# KiCad board GNSS_breakout_L86-M33.kicad_pcb (continued)
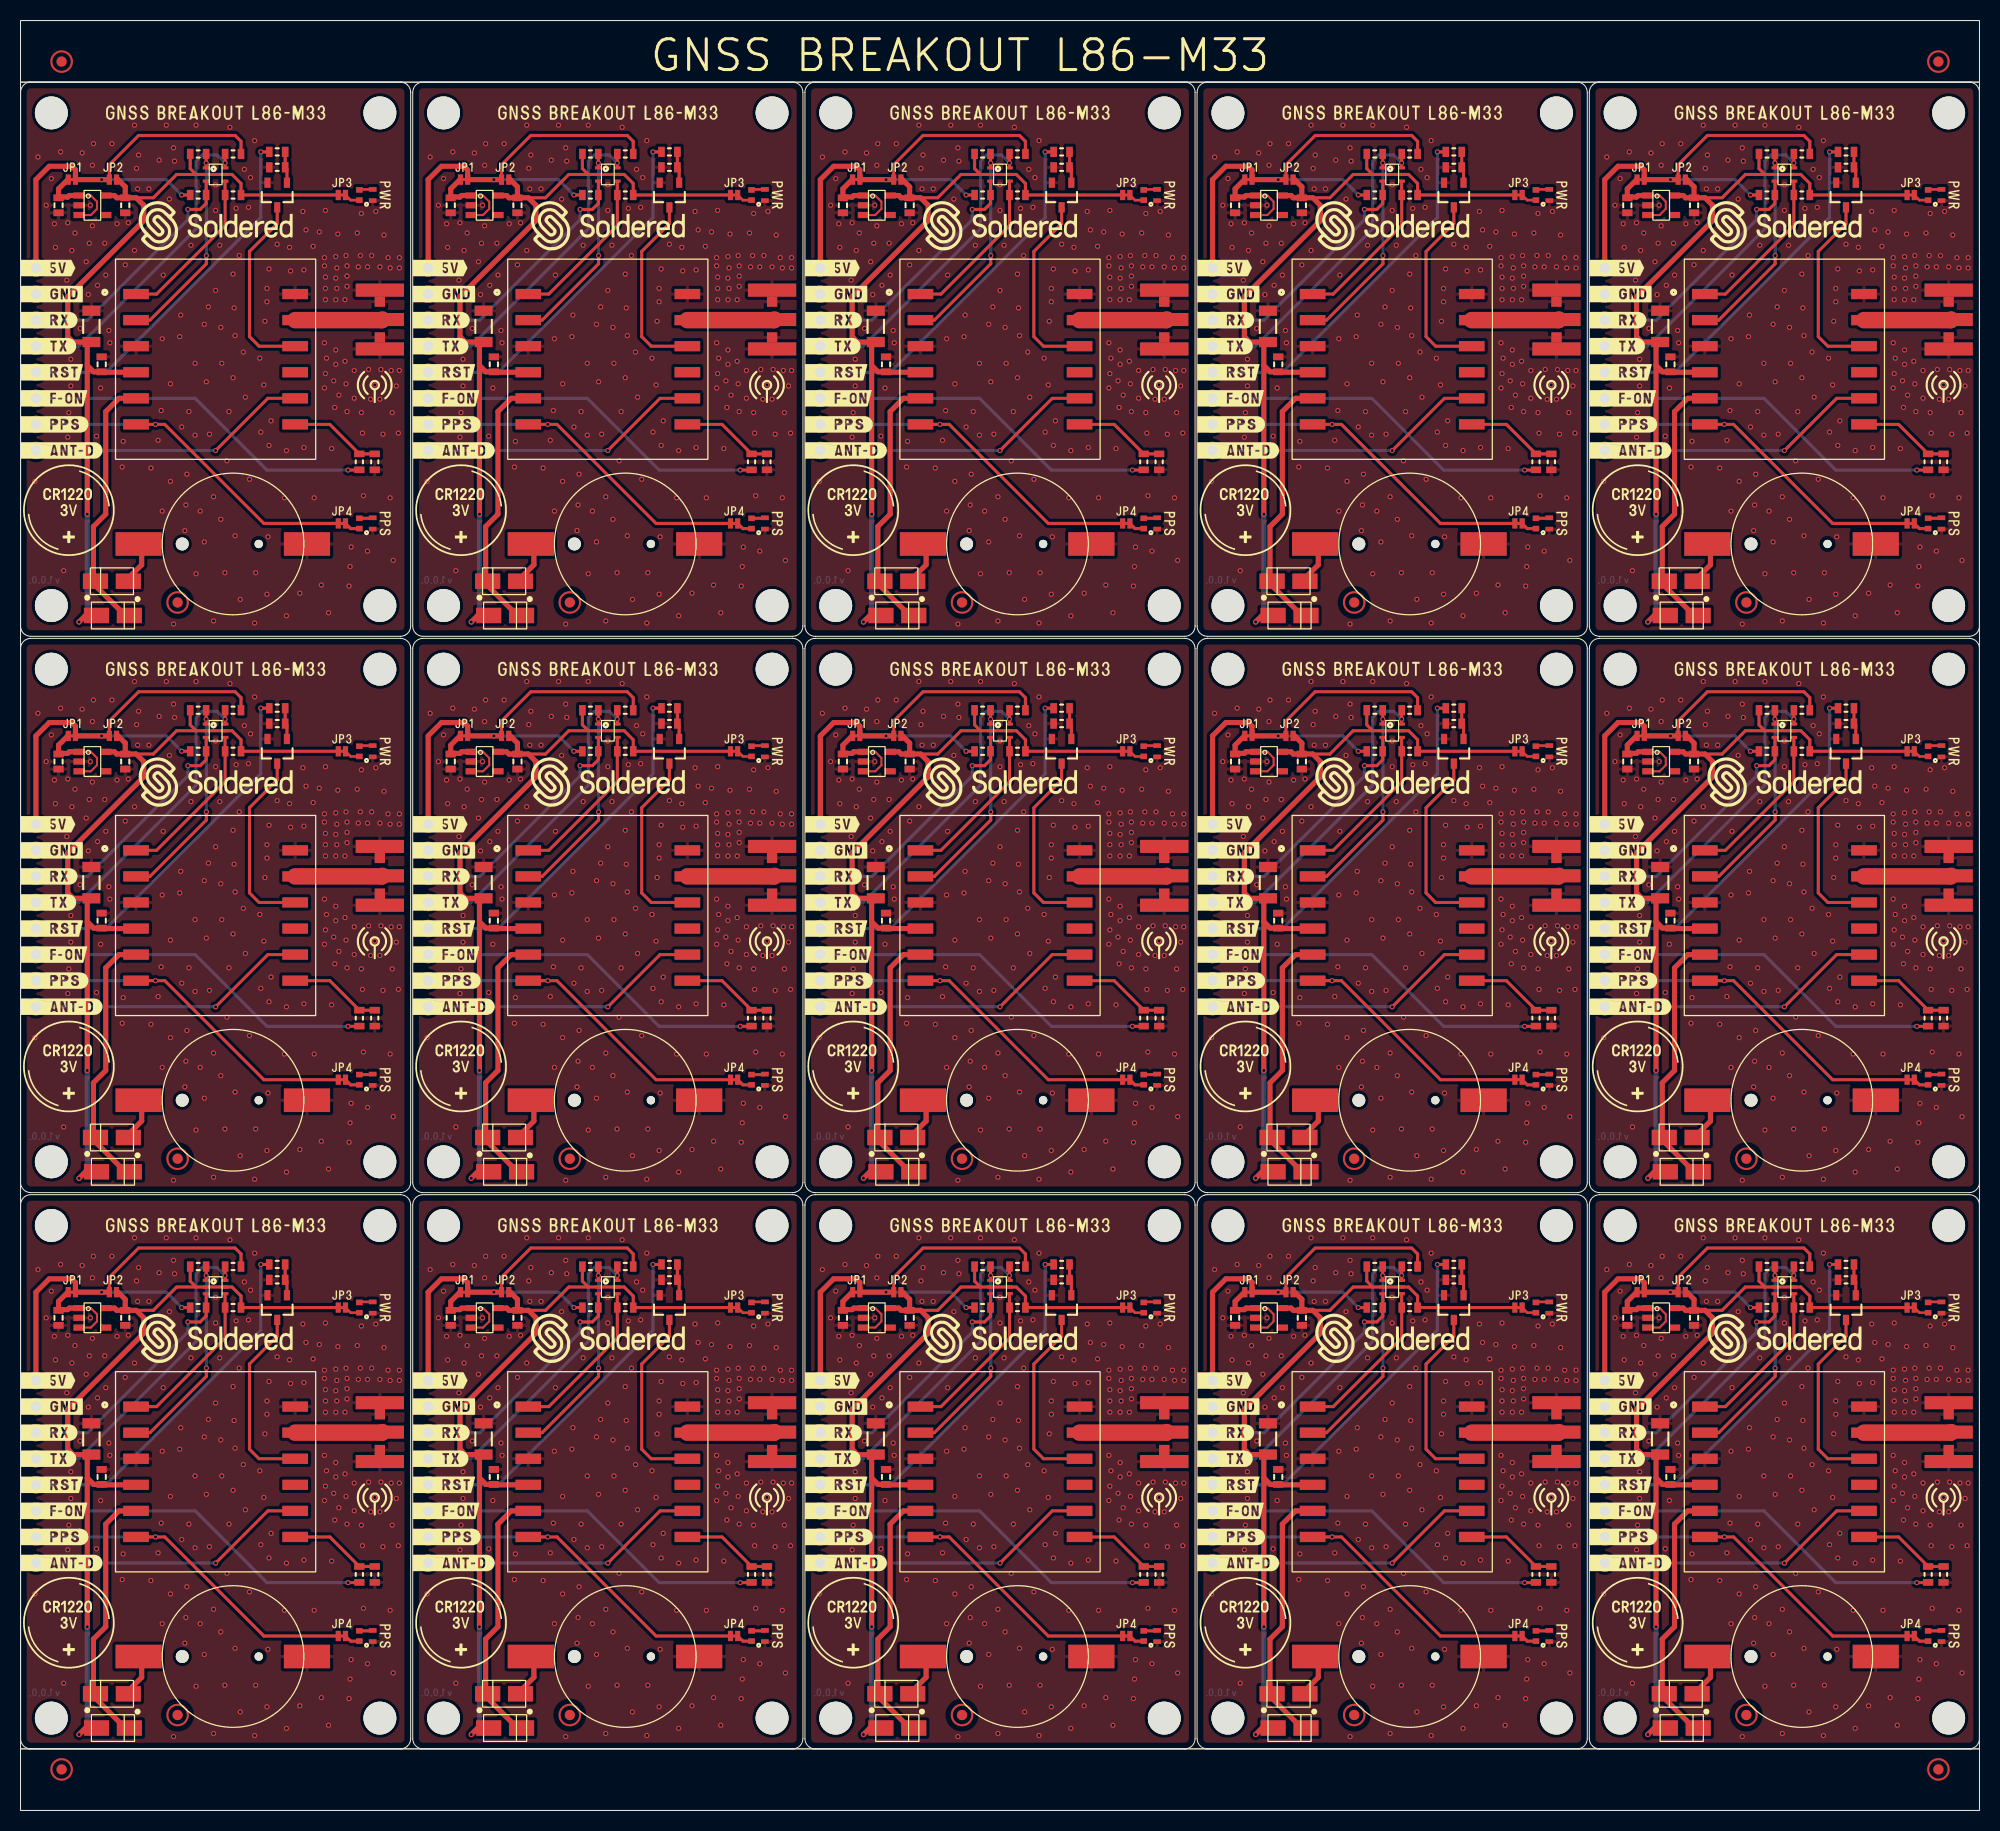
[diagram p0: board, top side]
## Routing (per net, layer and track width the routed paths; a pad name or vN(x,y) marks a point on that pad's centre or on a via; arc(x,y) is an arc through that point) (continued)
  vias: v1(1.4,129.5) v1(1.4,75.3) v1(1.4,21.1) v1(1.7,161.1) v1(1.7,106.9) v1(1.7,52.7) v1(2.5,156.4) v1(2.5,102.2) v1(2.5,48) v1(3,159) v1(3,104.8) v1(3,50.6) v1(3.3,154.6) v1(3.3,100.4) v1(3.3,46.2) v1(3.4,152.3) v1(3.4,98.1) v1(3.4,43.9) v1(3.9,161.6) v1(3.9,107.4) v1(3.9,53.2) v1(4.2,120.8) v1(4.2,66.6) v1(4.2,12.4) v1(4.5,149.1) v1(4.5,94.9) v1(4.5,40.7) v1(4.6,154.7) v1(4.6,133.8) v1(4.6,100.5) v1(4.6,79.6) v1(4.6,46.3) v1(4.6,25.4) v1(4.7,136.2) v1(4.7,82) v1(4.7,27.8) v1(4.9,141.4) v1(4.9,138.8) v1(4.9,87.2) v1(4.9,84.6) v1(4.9,33) v1(4.9,30.4) v1(5,152) v1(5,97.8) v1(5,43.6) v1(5.3,153.7) v1(5.3,99.5) v1(5.3,45.3) v1(5.8,144.4) v1(5.8,90.2) v1(5.8,36) v1(6,161.5) v1(6,107.3) v1(6,53.1) v1(6.4,150.9) v1(6.4,96.7) v1(6.4,42.5) v1(6.6,147.7) v1(6.6,93.5) v1(6.6,39.3) v1(6.7,152.7) v1(6.7,98.5) v1(6.7,44.3) v1(6.8,156.4) v1(6.8,102.2) v1(6.8,48) v1(7,160.3) v1(7,154.4) v1(7,106.1) v1(7,100.2) v1(7,51.9) v1(7,46) v1(7.1,162.4) v1(7.1,108.2) v1(7.1,54) v1(7.4,133.9) v1(7.4,79.7) v1(7.4,25.5) v1(7.5,148.6) v1(7.5,94.4) v1(7.5,40.2) v1(7.8,138.6) v1(7.8,84.4) v1(7.8,30.2) v1(8.2,152.7) v1(8.2,98.5) v1(8.2,44.3) v1(8.3,149.6) v1(8.3,95.4) v1(8.3,41.2) v1(8.6,144.2) v1(8.6,90) v1(8.6,35.8) v1(8.7,143) v1(8.7,88.8) v1(8.7,34.6) v1(8.9,162.4) v1(8.9,108.2) v1(8.9,54) v1(9.4,154.6) v1(9.4,100.4) v1(9.4,46.2) v1(9.9,130.9) v1(9.9,76.7) v1(9.9,22.5) v1(10,133.4) v1(10,79.2) v1(10,25) v1(10.2,150.6) v1(10.2,96.4) v1(10.2,42.2) v1(10.5,154.7) v1(10.5,100.5) v1(10.5,46.3) v1(11.1,164.2) v1(11.1,152) v1(11.1,110) v1(11.1,97.8) v1(11.1,55.8) v1(11.1,43.6) v1(11.3,160) v1(11.3,105.8) v1(11.3,51.6) v1(11.4,158) v1(11.4,103.8) v1(11.4,49.6) v1(11.5,161.3) v1(11.5,107.1) v1(11.5,52.9) v1(12.5,158) v1(12.5,103.8) v1(12.5,49.6) v1(12.7,130.8) v1(12.7,76.6) v1(12.7,22.4) v1(13.4,133.5) v1(13.4,79.3) v1(13.4,25.1) v1(13.5,160.8) v1(13.5,106.6) v1(13.5,52.4) v1(13.7,136.4) v1(13.7,82.2) v1(13.7,28) v1(13.8,143.4) v1(13.8,126.6) v1(13.8,89.2) v1(13.8,72.4) v1(13.8,35) v1(13.8,18.2) v1(13.9,149.6) v1(13.9,95.4) v1(13.9,41.2) v1(14.2,164.2) v1(14.2,110) v1(14.2,55.8) v1(14.5,157) v1(14.5,102.8) v1(14.5,48.6) v1(14.6,139) v1(14.6,129.5) v1(14.6,84.8) v1(14.6,75.3) v1(14.6,30.6) v1(14.6,21.1) v1(14.9,162) v1(14.9,115.6) v1(14.9,107.8) v1(14.9,61.4) v1(14.9,53.6) v1(14.9,7.2) v1(15,160.7) v1(15,106.5) v1(15,52.3) v1(15.5,143.6) v1(15.5,89.4) v1(15.5,35.2) v1(15.6,145.7) v1(15.6,91.5) v1(15.6,37.3) v1(15.7,134.8) v1(15.7,80.6) v1(15.7,26.4) v1(16,124.7) v1(16,70.5) v1(16,16.3) v1(16.1,127.2) v1(16.1,73) v1(16.1,18.8) v1(16.2,130.2) v1(16.2,76) v1(16.2,21.8) v1(16.4,136.3) v1(16.4,82.1) v1(16.4,27.9) v1(16.6,152.5) v1(16.6,98.3) v1(16.6,44.1) v1(17,141) v1(17,134) v1(17,86.8) v1(17,79.8) v1(17,32.6) v1(17,25.6) v1(17.1,164.2) v1(17.1,120.5) v1(17.1,110) v1(17.1,66.3) v1(17.1,55.8) v1(17.1,12.1) v1(17.5,126.6) v1(17.5,72.4) v1(17.5,18.2) v1(17.9,144.8) v1(17.9,123.6) v1(17.9,90.6) v1(17.9,69.4) v1(17.9,36.4) v1(17.9,15.2) v1(18.1,139.2) v1(18.1,85) v1(18.1,30.8) v1(18.3,146.5) v1(18.3,92.3) v1(18.3,38.1) v1(18.4,134.1) v1(18.4,79.9) v1(18.4,25.7) v1(18.8,128) v1(18.8,115.9) v1(18.8,73.8) v1(18.8,61.7) v1(18.8,19.6) v1(18.8,7.5) v1(19,158.4) v1(19,155.9) v1(19,148.1) v1(19,104.2) v1(19,101.7) v1(19,93.9) v1(19,50) v1(19,47.5) v1(19,39.7) v1(19.4,152.5) v1(19.4,98.3) v1(19.4,44.1) v1(19.5,144.5) v1(19.5,125.8) v1(19.5,90.3) v1(19.5,71.6) v1(19.5,36.1) v1(19.5,17.4) v1(19.6,141) v1(19.6,86.8) v1(19.6,32.6) v1(19.9,120.6) v1(19.9,66.4) v1(19.9,12.2) v1(20.1,131.5) v1(20.1,77.3) v1(20.1,23.1) v1(20.3,136.3) v1(20.3,82.1) v1(20.3,27.9) v1(20.4,164) v1(20.4,109.8) v1(20.4,55.6) v1(20.7,149.7) v1(20.7,139.6) v1(20.7,95.5) v1(20.7,85.4) v1(20.7,41.3) v1(20.7,31.2) v1(20.8,146.4) v1(20.8,92.2) v1(20.8,38) v1(20.9,143.7) v1(20.9,124.2) v1(20.9,89.5) v1(20.9,70) v1(20.9,35.3) v1(20.9,15.8) v1(21,156.1) v1(21,101.9) v1(21,47.7) v1(21.3,151.5) v1(21.3,97.3) v1(21.3,43.1) v1(21.4,118) v1(21.4,63.8) v1(21.4,9.6) v1(21.7,142.1) v1(21.7,87.9) v1(21.7,33.7) v1(21.8,159.9) v1(21.8,105.7) v1(21.8,51.5) v1(21.9,137.7) v1(21.9,83.5) v1(21.9,29.3) v1(22.2,156.2) v1(22.2,102) v1(22.2,47.8) v1(22.3,129.7) v1(22.3,75.5) v1(22.3,21.3) v1(22.4,159.1) v1(22.4,104.9) v1(22.4,50.7) v1(22.8,162.7) v1(22.8,115.7) v1(22.8,108.5) v1(22.8,61.5) v1(22.8,54.3) v1(22.8,7.3) v1(22.9,120.6) v1(22.9,66.4) v1(22.9,12.2) v1(23.3,141.5) v1(23.3,87.3) v1(23.3,33.1) v1(23.4,134.3) v1(23.4,80.1) v1(23.4,25.9) v1(23.7,138.9) v1(23.7,84.7) v1(23.7,30.5) v1(23.8,145.1) v1(23.8,90.9) v1(23.8,36.7) v1(24,148.3) v1(24,147) v1(24,118.5) v1(24,94.1) v1(24,92.8) v1(24,64.3) v1(24,39.9) v1(24,38.6) v1(24,10.1) v1(24.1,124.1) v1(24.1,69.9) v1(24.1,15.7) v1(24.2,150.2) v1(24.2,133) v1(24.2,96) v1(24.2,78.8) v1(24.2,41.8) v1(24.2,24.6) v1(24.4,135.4) v1(24.4,81.2) v1(24.4,27) v1(25,152.6) v1(25,98.4) v1(25,44.2) v1(25.7,127.9) v1(25.7,73.7) v1(25.7,19.5) v1(25.9,132.5) v1(25.9,116.4) v1(25.9,78.3) v1(25.9,62.2) v1(25.9,24.1) v1(25.9,8) v1(26.2,152.3) v1(26.2,98.1) v1(26.2,43.9) v1(26.3,150) v1(26.3,95.8) v1(26.3,41.6) v1(27.2,118.6) v1(27.2,64.4) v1(27.2,10.2) v1(27.5,155.8) v1(27.5,101.6) v1(27.5,47.4) v1(27.6,150.1) v1(27.6,132.8) v1(27.6,95.9) v1(27.6,78.6) v1(27.6,41.7) v1(27.6,24.4) v1(27.8,154) v1(27.8,99.8) v1(27.8,45.6) v1(28.5,152.4) v1(28.5,98.2) v1(28.5,44) v1(28.6,127.9) v1(28.6,73.7) v1(28.6,19.5) v1(29.1,153.8) v1(29.1,99.6) v1(29.1,45.4) v1(29.3,119.4) v1(29.3,65.2) v1(29.3,11) v1(29.6,151.3) v1(29.6,150.5) v1(29.6,143) v1(29.6,138.6) v1(29.6,97.1) v1(29.6,96.3) v1(29.6,88.8) v1(29.6,84.4) v1(29.6,42.9) v1(29.6,42.1) v1(29.6,34.6) v1(29.6,30.2) v1(29.7,155.9) v1(29.7,149.4) v1(29.7,148.3) v1(29.7,147.2) v1(29.7,140) v1(29.7,101.7) v1(29.7,95.2) v1(29.7,94.1) v1(29.7,93) v1(29.7,85.8) v1(29.7,47.5) v1(29.7,41) v1(29.7,39.9) v1(29.7,38.8) v1(29.7,31.6) v1(29.8,141.5) v1(29.8,87.3) v1(29.8,33.1) v1(30,116.7) v1(30,62.5) v1(30,8.3) v1(30.3,132.7) v1(30.3,78.5) v1(30.3,24.3) v1(30.5,139.3) v1(30.5,85.1) v1(30.5,30.9) v1(30.6,136.7) v1(30.6,82.5) v1(30.6,28.3) v1(30.7,151.4) v1(30.7,149.3) v1(30.7,147.2) v1(30.7,142.3) v1(30.7,140.9) v1(30.7,97.2) v1(30.7,95.1) v1(30.7,93) v1(30.7,88.1) v1(30.7,86.7) v1(30.7,43) v1(30.7,40.9) v1(30.7,38.8) v1(30.7,33.9) v1(30.7,32.5) v1(30.8,150.3) v1(30.8,148.3) v1(30.8,96.1) v1(30.8,94.1) v1(30.8,41.9) v1(30.8,39.9) v1(30.9,153.6) v1(30.9,99.4) v1(30.9,45.2) v1(31,137.9) v1(31,83.7) v1(31,29.5) v1(31.6,147.2) v1(31.6,141.2) v1(31.6,93) v1(31.6,87) v1(31.6,38.8) v1(31.6,32.8) v1(31.7,151.5) v1(31.7,139) v1(31.7,97.3) v1(31.7,84.8) v1(31.7,43.1) v1(31.7,30.6) v1(31.8,150.5) v1(31.8,149.5) v1(31.8,148.5) v1(31.8,136.3) v1(31.8,96.3) v1(31.8,95.3) v1(31.8,94.3) v1(31.8,82.1) v1(31.8,42.1) v1(31.8,41.1) v1(31.8,40.1) v1(31.8,27.9) v1(32,119.3) v1(32,65.1) v1(32,10.9) v1(32.1,121.2) v1(32.1,67) v1(32.1,12.8) v1(32.2,123.1) v1(32.2,68.9) v1(32.2,14.7) v1(32.5,140.3) v1(32.5,137.6) v1(32.5,86.1) v1(32.5,83.4) v1(32.5,31.9) v1(32.5,29.2) v1(32.8,153.7) v1(32.8,99.5) v1(32.8,45.3) v1(32.9,150.4) v1(32.9,96.2) v1(32.9,42) v1(33.1,151.5) v1(33.1,97.3) v1(33.1,43.1) v1(33.2,155.6) v1(33.2,136.2) v1(33.2,101.4) v1(33.2,82) v1(33.2,47.2) v1(33.2,27.8) v1(33.3,134.2) v1(33.3,80) v1(33.3,25.8) v1(33.4,128.1) v1(33.4,73.9) v1(33.4,19.7) v1(33.8,150.4) v1(33.8,122.7) v1(33.8,96.2) v1(33.8,68.5) v1(33.8,42) v1(33.8,14.3) v1(33.9,140.4) v1(33.9,86.2) v1(33.9,32) v1(34.1,137.5) v1(34.1,83.3) v1(34.1,29.1) v1(34.2,151.5) v1(34.2,97.3) v1(34.2,43.1) v1(34.5,138.9) v1(34.5,84.7) v1(34.5,30.5) v1(34.6,155.8) v1(34.6,101.6) v1(34.6,47.4) v1(35,150.4) v1(35,137.5) v1(35,96.2) v1(35,83.3) v1(35,42) v1(35,29.1) v1(35.1,140.4) v1(35.1,86.2) v1(35.1,32) v1(35.3,134.1) v1(35.3,79.9) v1(35.3,25.7) v1(35.4,153.5) v1(35.4,99.3) v1(35.4,45.1) v1(35.8,151.3) v1(35.8,97.1) v1(35.8,42.9) v1(36,150.3) v1(36,127.9) v1(36,96.1) v1(36,73.7) v1(36,41.9) v1(36,19.5) v1(36.1,140.3) v1(36.1,86.1) v1(36.1,31.9) v1(36.2,136.2) v1(36.2,82) v1(36.2,27.8) v1(36.3,121.8) v1(36.3,67.6) v1(36.3,13.4) v1(36.6,138.8) v1(36.6,84.6) v1(36.6,30.4) v1(36.8,134.2) v1(36.8,80) v1(36.8,25.8) v1(36.9,151.3) v1(36.9,150.3) v1(36.9,140.3) v1(36.9,97.1) v1(36.9,96.1) v1(36.9,86.1) v1(36.9,42.9) v1(36.9,41.9) v1(36.9,31.9) v1(39.6,129.5) v1(39.6,75.3) v1(39.6,21.1) v1(39.9,161.1) v1(39.9,106.9) v1(39.9,52.7) v1(40.7,156.4) v1(40.7,102.2) v1(40.7,48) v1(41.2,159) v1(41.2,104.8) v1(41.2,50.6) v1(41.5,154.6) v1(41.5,100.4) v1(41.5,46.2) v1(41.6,152.3) v1(41.6,98.1) v1(41.6,43.9) v1(42.1,161.6) v1(42.1,107.4) v1(42.1,53.2) v1(42.4,120.8) v1(42.4,66.6) v1(42.4,12.4) v1(42.7,149.1) v1(42.7,94.9) v1(42.7,40.7) v1(42.8,154.7) v1(42.8,133.8) v1(42.8,100.5) v1(42.8,79.6) v1(42.8,46.3) v1(42.8,25.4) v1(42.9,136.2) v1(42.9,82) v1(42.9,27.8) v1(43.1,141.4) v1(43.1,138.8) v1(43.1,87.2) v1(43.1,84.6) v1(43.1,33) v1(43.1,30.4) v1(43.2,152) v1(43.2,97.8) v1(43.2,43.6) v1(43.5,153.7) v1(43.5,99.5) v1(43.5,45.3) v1(44,144.4) v1(44,90.2) v1(44,36) v1(44.2,161.5) v1(44.2,107.3) v1(44.2,53.1) v1(44.6,150.9) v1(44.6,96.7) v1(44.6,42.5) v1(44.8,147.7) v1(44.8,93.5) v1(44.8,39.3) v1(44.9,152.7) v1(44.9,98.5) v1(44.9,44.3) v1(45,156.4) v1(45,102.2) v1(45,48) v1(45.2,160.3) v1(45.2,154.4) v1(45.2,106.1) v1(45.2,100.2) v1(45.2,51.9) v1(45.2,46) v1(45.3,162.4) v1(45.3,108.2) v1(45.3,54) v1(45.6,133.9) v1(45.6,79.7) v1(45.6,25.5) v1(45.7,148.6) v1(45.7,94.4) v1(45.7,40.2) v1(46,138.6) v1(46,84.4) v1(46,30.2) v1(46.4,152.7) v1(46.4,98.5) v1(46.4,44.3) v1(46.5,149.6) v1(46.5,95.4) v1(46.5,41.2) v1(46.8,144.2) v1(46.8,90) v1(46.8,35.8) v1(46.9,143) v1(46.9,88.8) v1(46.9,34.6) v1(47.1,162.4) v1(47.1,108.2) v1(47.1,54) v1(47.6,154.6) v1(47.6,100.4) v1(47.6,46.2) v1(48.1,130.9) v1(48.1,76.7) v1(48.1,22.5) v1(48.2,133.4) v1(48.2,79.2) v1(48.2,25) v1(48.4,150.6) v1(48.4,96.4) v1(48.4,42.2) v1(48.7,154.7) v1(48.7,100.5) v1(48.7,46.3) v1(49.3,164.2) v1(49.3,152) v1(49.3,110) v1(49.3,97.8) v1(49.3,55.8) v1(49.3,43.6) v1(49.5,160) v1(49.5,105.8) v1(49.5,51.6) v1(49.6,158) v1(49.6,103.8) v1(49.6,49.6) v1(49.7,161.3) v1(49.7,107.1) v1(49.7,52.9) v1(50.7,158) v1(50.7,103.8) v1(50.7,49.6) v1(50.9,130.8) v1(50.9,76.6) v1(50.9,22.4) v1(51.6,133.5) v1(51.6,79.3) v1(51.6,25.1) v1(51.7,160.8) v1(51.7,106.6) v1(51.7,52.4) v1(51.9,136.4) v1(51.9,82.2) v1(51.9,28) v1(52,143.4) v1(52,126.6) v1(52,89.2) v1(52,72.4) v1(52,35) v1(52,18.2) v1(52.1,149.6) v1(52.1,95.4) v1(52.1,41.2) v1(52.4,164.2) v1(52.4,110) v1(52.4,55.8) v1(52.7,157) v1(52.7,102.8) v1(52.7,48.6) v1(52.8,139) v1(52.8,129.5) v1(52.8,84.8) v1(52.8,75.3) v1(52.8,30.6) v1(52.8,21.1) v1(53.1,162) v1(53.1,115.6) v1(53.1,107.8) v1(53.1,61.4) v1(53.1,53.6) v1(53.1,7.2) v1(53.2,160.7) v1(53.2,106.5) v1(53.2,52.3) v1(53.7,143.6) v1(53.7,89.4) v1(53.7,35.2) v1(53.8,145.7) v1(53.8,91.5) v1(53.8,37.3) v1(53.9,134.8) v1(53.9,80.6) v1(53.9,26.4) v1(54.2,124.7) v1(54.2,70.5) v1(54.2,16.3) v1(54.3,127.2) v1(54.3,73) v1(54.3,18.8) v1(54.4,130.2) v1(54.4,76) v1(54.4,21.8) v1(54.6,136.3) v1(54.6,82.1) v1(54.6,27.9) v1(54.8,152.5) v1(54.8,98.3) v1(54.8,44.1) v1(55.2,141) v1(55.2,134) v1(55.2,86.8) v1(55.2,79.8) v1(55.2,32.6) v1(55.2,25.6) v1(55.3,164.2) v1(55.3,120.5) v1(55.3,110) v1(55.3,66.3) v1(55.3,55.8) v1(55.3,12.1) v1(55.7,126.6) v1(55.7,72.4) v1(55.7,18.2) v1(56.1,144.8) v1(56.1,123.6) v1(56.1,90.6) v1(56.1,69.4) v1(56.1,36.4) v1(56.1,15.2) v1(56.3,139.2) v1(56.3,85) v1(56.3,30.8) v1(56.5,146.5) v1(56.5,92.3) v1(56.5,38.1) v1(56.6,134.1) v1(56.6,79.9) v1(56.6,25.7) v1(57,128) v1(57,115.9) v1(57,73.8) v1(57,61.7) v1(57,19.6) v1(57,7.5) v1(57.2,158.4) v1(57.2,155.9) v1(57.2,148.1) v1(57.2,104.2) v1(57.2,101.7) v1(57.2,93.9) v1(57.2,50) v1(57.2,47.5) v1(57.2,39.7) v1(57.6,152.5) v1(57.6,98.3) v1(57.6,44.1) v1(57.7,144.5) v1(57.7,125.8) v1(57.7,90.3) v1(57.7,71.6) v1(57.7,36.1) v1(57.7,17.4) v1(57.8,141) v1(57.8,86.8) v1(57.8,32.6) v1(58.1,120.6) v1(58.1,66.4) v1(58.1,12.2) v1(58.3,131.5) v1(58.3,77.3) v1(58.3,23.1) v1(58.5,136.3) v1(58.5,82.1) v1(58.5,27.9) v1(58.6,164) v1(58.6,109.8) v1(58.6,55.6) v1(58.9,149.7) v1(58.9,139.6) v1(58.9,95.5) v1(58.9,85.4) v1(58.9,41.3) v1(58.9,31.2) v1(59,146.4) v1(59,92.2) v1(59,38) v1(59.1,143.7) v1(59.1,124.2) v1(59.1,89.5) v1(59.1,70) v1(59.1,35.3) v1(59.1,15.8) v1(59.2,156.1) v1(59.2,101.9) v1(59.2,47.7) v1(59.5,151.5) v1(59.5,97.3) v1(59.5,43.1) v1(59.6,118) v1(59.6,63.8) v1(59.6,9.6) v1(59.9,142.1) v1(59.9,87.9) v1(59.9,33.7) v1(60,159.9) v1(60,105.7) v1(60,51.5) v1(60.1,137.7) v1(60.1,83.5) v1(60.1,29.3) v1(60.4,156.2) v1(60.4,102) v1(60.4,47.8) v1(60.5,129.7) v1(60.5,75.5) v1(60.5,21.3) v1(60.6,159.1) v1(60.6,104.9) v1(60.6,50.7) v1(61,162.7) v1(61,115.7) v1(61,108.5) v1(61,61.5) v1(61,54.3) v1(61,7.3) v1(61.1,120.6) v1(61.1,66.4) v1(61.1,12.2) v1(61.5,141.5) v1(61.5,87.3) v1(61.5,33.1) v1(61.6,134.3) v1(61.6,80.1) v1(61.6,25.9) v1(61.9,138.9) v1(61.9,84.7) v1(61.9,30.5) v1(62,145.1) v1(62,90.9) v1(62,36.7) v1(62.2,148.3) v1(62.2,147) v1(62.2,118.5) v1(62.2,94.1) v1(62.2,92.8) v1(62.2,64.3) v1(62.2,39.9) v1(62.2,38.6) v1(62.2,10.1) v1(62.3,124.1) v1(62.3,69.9) v1(62.3,15.7) v1(62.4,150.2) v1(62.4,133) v1(62.4,96) v1(62.4,78.8) v1(62.4,41.8) v1(62.4,24.6) v1(62.6,135.4) v1(62.6,81.2) v1(62.6,27) v1(63.2,152.6) v1(63.2,98.4) v1(63.2,44.2) v1(63.9,127.9) v1(63.9,73.7) v1(63.9,19.5) v1(64.1,132.5) v1(64.1,116.4) v1(64.1,78.3) v1(64.1,62.2) v1(64.1,24.1) v1(64.1,8) v1(64.4,152.3) v1(64.4,98.1) v1(64.4,43.9) v1(64.5,150) v1(64.5,95.8) v1(64.5,41.6) v1(65.4,118.6) v1(65.4,64.4) v1(65.4,10.2) v1(65.7,155.8) v1(65.7,101.6) v1(65.7,47.4) v1(65.8,150.1) v1(65.8,132.8) v1(65.8,95.9) v1(65.8,78.6) v1(65.8,41.7) v1(65.8,24.4) v1(66,154) v1(66,99.8) v1(66,45.6) v1(66.7,152.4) v1(66.7,98.2) v1(66.7,44) v1(66.8,127.9) v1(66.8,73.7) v1(66.8,19.5) v1(67.3,153.8) v1(67.3,99.6) v1(67.3,45.4) v1(67.5,119.4) v1(67.5,65.2) v1(67.5,11) v1(67.8,151.3) v1(67.8,150.5) v1(67.8,143) v1(67.8,138.6) v1(67.8,97.1) v1(67.8,96.3) v1(67.8,88.8) v1(67.8,84.4) v1(67.8,42.9) v1(67.8,42.1) v1(67.8,34.6) v1(67.8,30.2) v1(67.9,155.9) v1(67.9,149.4) v1(67.9,148.3) v1(67.9,147.2) v1(67.9,140) v1(67.9,101.7) v1(67.9,95.2) v1(67.9,94.1) v1(67.9,93) v1(67.9,85.8) v1(67.9,47.5) v1(67.9,41) v1(67.9,39.9) v1(67.9,38.8) v1(67.9,31.6) v1(68,141.5) v1(68,87.3) v1(68,33.1) v1(68.2,116.7) v1(68.2,62.5) v1(68.2,8.3) v1(68.5,132.7) v1(68.5,78.5) v1(68.5,24.3) v1(68.7,139.3) v1(68.7,85.1) v1(68.7,30.9) v1(68.8,136.7) v1(68.8,82.5) v1(68.8,28.3) v1(68.9,151.4) v1(68.9,149.3) v1(68.9,147.2) v1(68.9,142.3) v1(68.9,140.9) v1(68.9,97.2) v1(68.9,95.1) v1(68.9,93) v1(68.9,88.1) v1(68.9,86.7) v1(68.9,43) v1(68.9,40.9) v1(68.9,38.8) v1(68.9,33.9) v1(68.9,32.5) v1(69,150.3) v1(69,148.3) v1(69,96.1) v1(69,94.1) v1(69,41.9) v1(69,39.9) v1(69.1,153.6) v1(69.1,99.4) v1(69.1,45.2) v1(69.2,137.9) v1(69.2,83.7) v1(69.2,29.5) v1(69.8,147.2) v1(69.8,141.2) v1(69.8,93) v1(69.8,87) v1(69.8,38.8) v1(69.8,32.8) v1(69.9,151.5) v1(69.9,139) v1(69.9,97.3) v1(69.9,84.8) v1(69.9,43.1) v1(69.9,30.6) v1(70,150.5) v1(70,149.5) v1(70,148.5) v1(70,136.3) v1(70,96.3) v1(70,95.3) v1(70,94.3) v1(70,82.1) v1(70,42.1) v1(70,41.1) v1(70,40.1) v1(70,27.9) v1(70.2,119.3) v1(70.2,65.1) v1(70.2,10.9) v1(70.3,121.2) v1(70.3,67) v1(70.3,12.8) v1(70.4,123.1) v1(70.4,68.9) v1(70.4,14.7) v1(70.7,140.3) v1(70.7,137.6) v1(70.7,86.1) v1(70.7,83.4) v1(70.7,31.9) v1(70.7,29.2) v1(71,153.7) v1(71,99.5) v1(71,45.3) v1(71.1,150.4) v1(71.1,96.2) v1(71.1,42) v1(71.3,151.5) v1(71.3,97.3) v1(71.3,43.1) v1(71.4,155.6) v1(71.4,136.2) v1(71.4,101.4) v1(71.4,82) v1(71.4,47.2) v1(71.4,27.8) v1(71.5,134.2) v1(71.5,80) v1(71.5,25.8) v1(71.6,128.1) v1(71.6,73.9) v1(71.6,19.7) v1(72,150.4) v1(72,122.7) v1(72,96.2) v1(72,68.5) v1(72,42) v1(72,14.3) v1(72.1,140.4) v1(72.1,86.2) v1(72.1,32) v1(72.3,137.5) v1(72.3,83.3) v1(72.3,29.1) v1(72.4,151.5) v1(72.4,97.3) v1(72.4,43.1) v1(72.7,138.9) v1(72.7,84.7) v1(72.7,30.5) v1(72.8,155.8) v1(72.8,101.6) v1(72.8,47.4) v1(73.2,150.4) v1(73.2,137.5) v1(73.2,96.2) v1(73.2,83.3) v1(73.2,42) v1(73.2,29.1) v1(73.3,140.4) v1(73.3,86.2) v1(73.3,32) v1(73.5,134.1) v1(73.5,79.9) v1(73.5,25.7) v1(73.6,153.5) v1(73.6,99.3) v1(73.6,45.1) v1(74,151.3) v1(74,97.1) v1(74,42.9) v1(74.2,150.3) v1(74.2,127.9) v1(74.2,96.1) v1(74.2,73.7) v1(74.2,41.9) v1(74.2,19.5) v1(74.3,140.3) v1(74.3,86.1) v1(74.3,31.9) v1(74.4,136.2) v1(74.4,82) v1(74.4,27.8) v1(74.5,121.8) v1(74.5,67.6) v1(74.5,13.4) v1(74.8,138.8) v1(74.8,84.6) v1(74.8,30.4) v1(75,134.2) v1(75,80) v1(75,25.8) v1(75.1,151.3) v1(75.1,150.3) v1(75.1,140.3) v1(75.1,97.1) v1(75.1,96.1) v1(75.1,86.1) v1(75.1,42.9) v1(75.1,41.9) v1(75.1,31.9) v1(77.8,129.5) v1(77.8,75.3) v1(77.8,21.1) v1(78.1,161.1) v1(78.1,106.9) v1(78.1,52.7) v1(78.9,156.4) v1(78.9,102.2) v1(78.9,48) v1(79.4,159) v1(79.4,104.8) v1(79.4,50.6) v1(79.7,154.6) v1(79.7,100.4) v1(79.7,46.2) v1(79.8,152.3) v1(79.8,98.1) v1(79.8,43.9) v1(80.3,161.6) v1(80.3,107.4) v1(80.3,53.2) v1(80.6,120.8) v1(80.6,66.6) v1(80.6,12.4) v1(80.9,149.1) v1(80.9,94.9) v1(80.9,40.7) v1(81,154.7) v1(81,133.8) v1(81,100.5) v1(81,79.6) v1(81,46.3) v1(81,25.4) v1(81.1,136.2) v1(81.1,82) v1(81.1,27.8) v1(81.3,141.4) v1(81.3,138.8) v1(81.3,87.2) v1(81.3,84.6) v1(81.3,33) v1(81.3,30.4) v1(81.4,152) v1(81.4,97.8) v1(81.4,43.6) v1(81.7,153.7) v1(81.7,99.5) v1(81.7,45.3) v1(82.2,144.4) v1(82.2,90.2) v1(82.2,36) v1(82.4,161.5) v1(82.4,107.3) v1(82.4,53.1) v1(82.8,150.9) v1(82.8,96.7) v1(82.8,42.5) v1(83,147.7) v1(83,93.5) v1(83,39.3) v1(83.1,152.7) v1(83.1,98.5) v1(83.1,44.3) v1(83.2,156.4) v1(83.2,102.2) v1(83.2,48) v1(83.4,160.3) v1(83.4,154.4) v1(83.4,106.1) v1(83.4,100.2) v1(83.4,51.9) v1(83.4,46) v1(83.5,162.4) v1(83.5,108.2) v1(83.5,54) v1(83.8,133.9) v1(83.8,79.7) v1(83.8,25.5) v1(83.9,148.6) v1(83.9,94.4) v1(83.9,40.2) v1(84.2,138.6) v1(84.2,84.4) v1(84.2,30.2) v1(84.6,152.7) v1(84.6,98.5) v1(84.6,44.3) v1(84.7,149.6) v1(84.7,95.4) v1(84.7,41.2) v1(85,144.2) v1(85,90) v1(85,35.8) v1(85.1,143) v1(85.1,88.8) v1(85.1,34.6) v1(85.3,162.4) v1(85.3,108.2) v1(85.3,54) v1(85.8,154.6) v1(85.8,100.4) v1(85.8,46.2) v1(86.3,130.9) v1(86.3,76.7) v1(86.3,22.5) v1(86.4,133.4) v1(86.4,79.2) v1(86.4,25) v1(86.6,150.6) v1(86.6,96.4) v1(86.6,42.2) v1(86.9,154.7) v1(86.9,100.5) v1(86.9,46.3) v1(87.5,164.2) v1(87.5,152) v1(87.5,110) v1(87.5,97.8) v1(87.5,55.8) v1(87.5,43.6) v1(87.7,160) v1(87.7,105.8) v1(87.7,51.6) v1(87.8,158) v1(87.8,103.8) v1(87.8,49.6) v1(87.9,161.3) v1(87.9,107.1) v1(87.9,52.9) v1(88.9,158) v1(88.9,103.8) v1(88.9,49.6) v1(89.1,130.8) v1(89.1,76.6) v1(89.1,22.4) v1(89.8,133.5) v1(89.8,79.3) v1(89.8,25.1) v1(89.9,160.8) v1(89.9,106.6) v1(89.9,52.4) v1(90.1,136.4) v1(90.1,82.2) v1(90.1,28) v1(90.2,143.4) v1(90.2,126.6) v1(90.2,89.2) v1(90.2,72.4) v1(90.2,35) v1(90.2,18.2) v1(90.3,149.6) v1(90.3,95.4) v1(90.3,41.2) v1(90.6,164.2) v1(90.6,110) v1(90.6,55.8) v1(90.9,157) v1(90.9,102.8) v1(90.9,48.6) v1(91,139) v1(91,129.5) v1(91,84.8) v1(91,75.3) v1(91,30.6) v1(91,21.1) v1(91.3,162) v1(91.3,115.6) v1(91.3,107.8) v1(91.3,61.4) v1(91.3,53.6) v1(91.3,7.2) v1(91.4,160.7) v1(91.4,106.5) v1(91.4,52.3) v1(91.9,143.6) v1(91.9,89.4) v1(91.9,35.2) v1(92,145.7) v1(92,91.5) v1(92,37.3) v1(92.1,134.8) v1(92.1,80.6) v1(92.1,26.4) v1(92.4,124.7) v1(92.4,70.5) v1(92.4,16.3) v1(92.5,127.2) v1(92.5,73) v1(92.5,18.8) v1(92.6,130.2) v1(92.6,76) v1(92.6,21.8) v1(92.8,136.3) v1(92.8,82.1) v1(92.8,27.9) v1(93,152.5) v1(93,98.3) v1(93,44.1) v1(93.4,141) v1(93.4,134) v1(93.4,86.8) v1(93.4,79.8) v1(93.4,32.6) v1(93.4,25.6) v1(93.5,164.2) v1(93.5,120.5) v1(93.5,110) v1(93.5,66.3) v1(93.5,55.8) v1(93.5,12.1) v1(93.9,126.6) v1(93.9,72.4) v1(93.9,18.2) v1(94.3,144.8) v1(94.3,123.6) v1(94.3,90.6) v1(94.3,69.4) v1(94.3,36.4) v1(94.3,15.2) v1(94.5,139.2) v1(94.5,85) v1(94.5,30.8) v1(94.7,146.5) v1(94.7,92.3) v1(94.7,38.1) v1(94.8,134.1) v1(94.8,79.9) v1(94.8,25.7) v1(95.2,128) v1(95.2,115.9) v1(95.2,73.8) v1(95.2,61.7) v1(95.2,19.6) v1(95.2,7.5) v1(95.4,158.4) v1(95.4,155.9) v1(95.4,148.1) v1(95.4,104.2) v1(95.4,101.7) v1(95.4,93.9) v1(95.4,50) v1(95.4,47.5) v1(95.4,39.7) v1(95.8,152.5) v1(95.8,98.3) v1(95.8,44.1) v1(95.9,144.5) v1(95.9,125.8) v1(95.9,90.3) v1(95.9,71.6) v1(95.9,36.1) v1(95.9,17.4) v1(96,141) v1(96,86.8) v1(96,32.6) v1(96.3,120.6) 